# KiCad board haasoscope_pro_adc_fpga_board.kicad_pcb (continued)
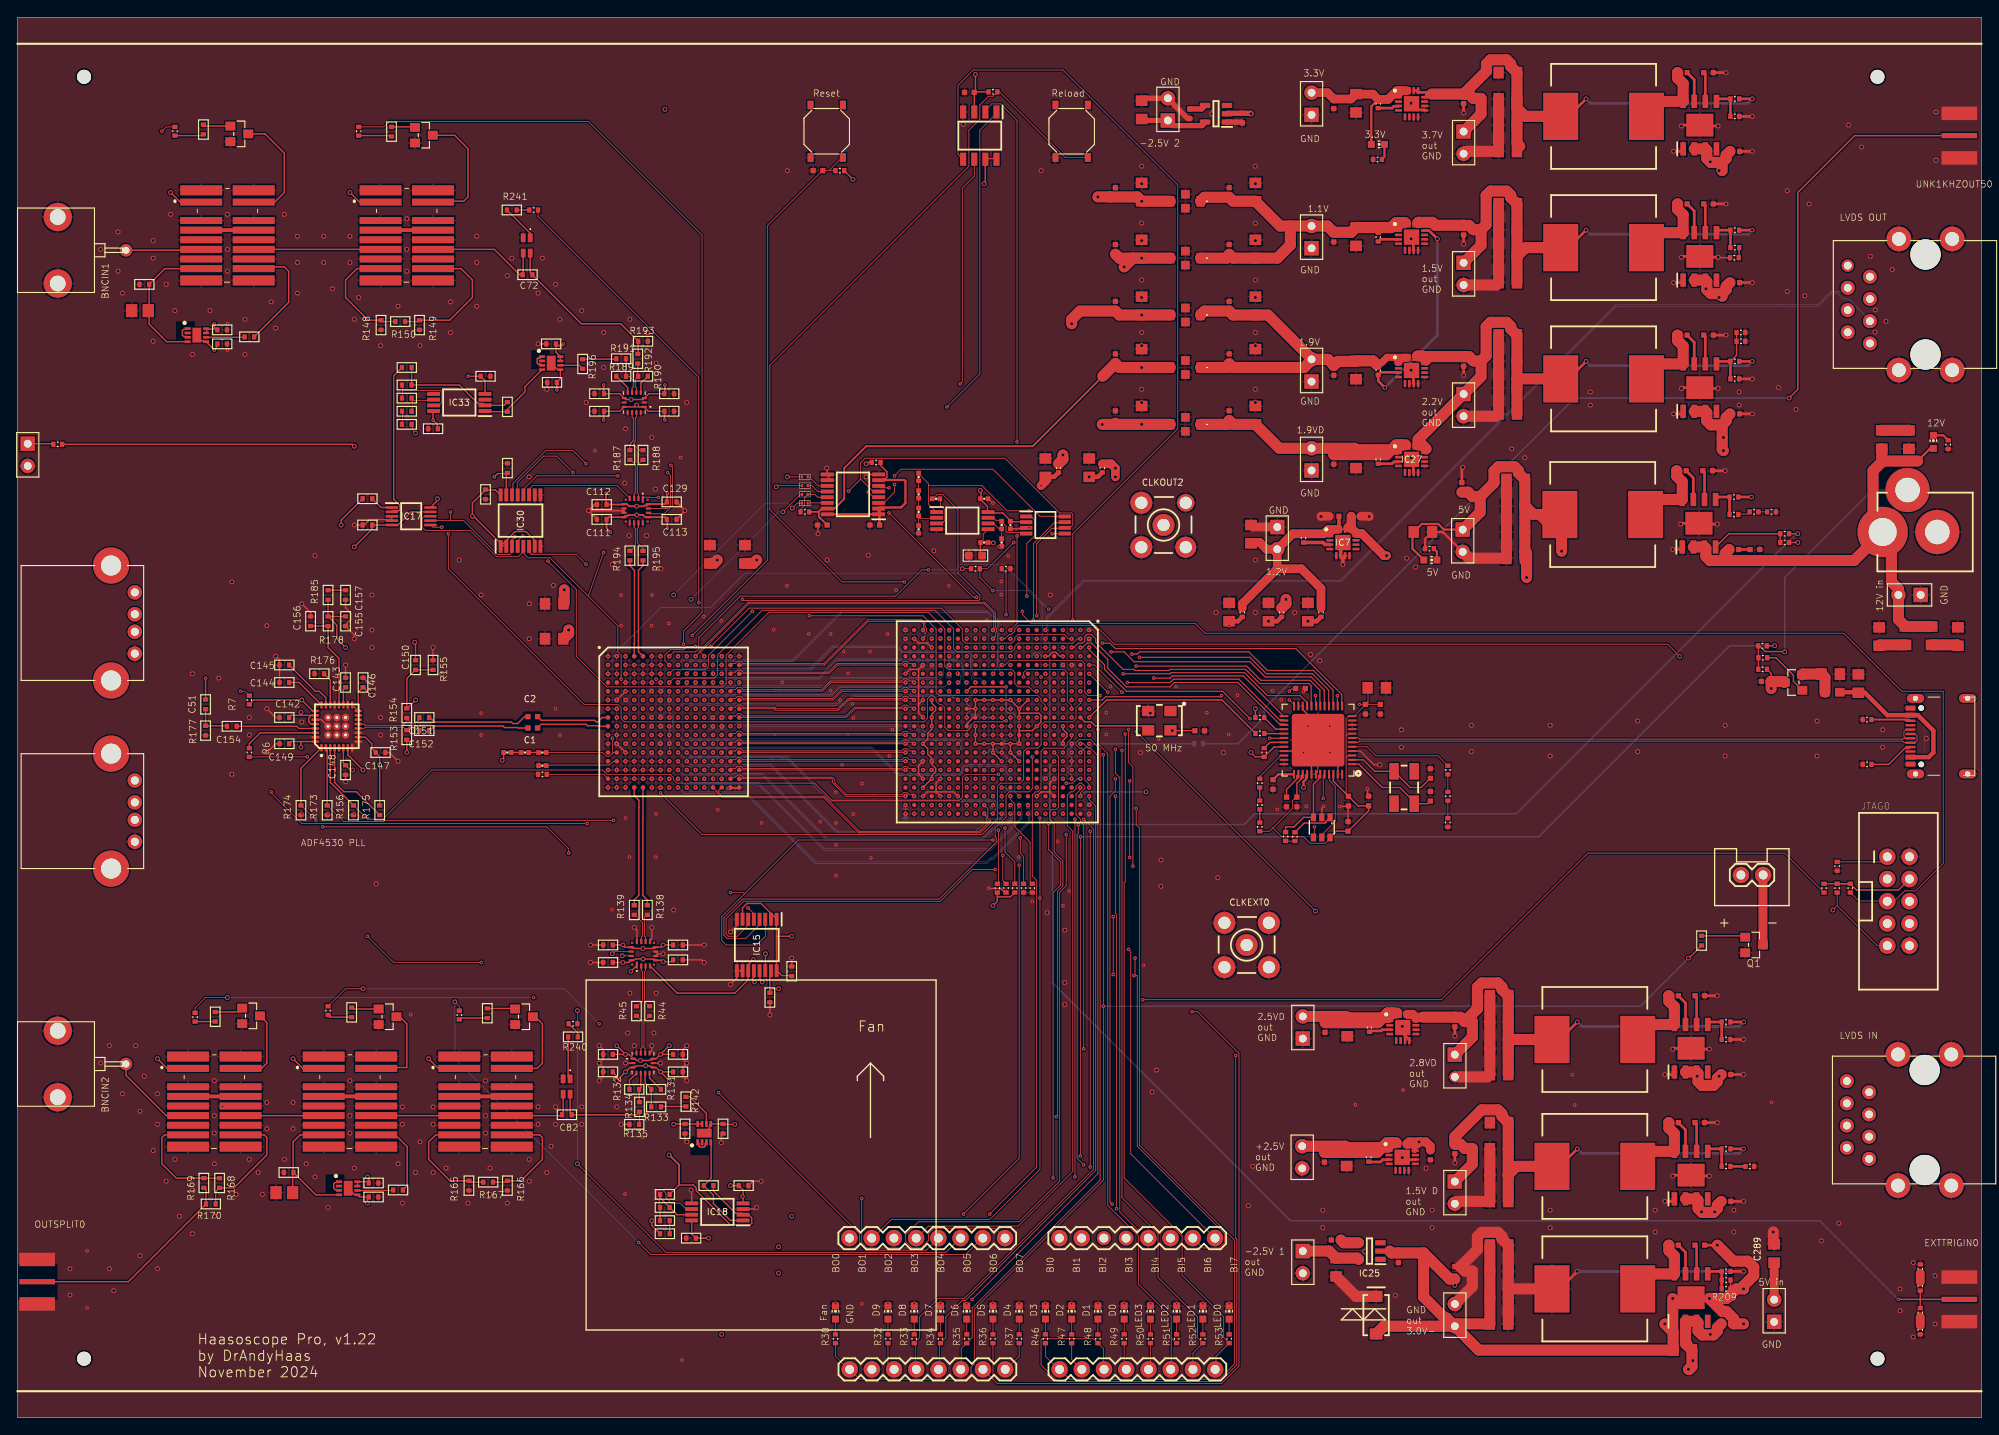
[diagram p0: board, top side]
## Routing (per net, layer and track width the routed paths; a pad name or vN(x,y) marks a point on that pad's centre or on a via; arc(x,y) is an arc through that point) (continued)
  In2.Cu w0.089: v1(112.55,88) 112.62,88 112.62,88.5 113,88.88 v1(113,91.75)
NCONFIG: length 110.3
  Top w0.089: SW3.2 119.75,144 112.25,151.5 R79.P$1 111.5,151 111,151 110,150 110,148.38 108.75,147.12 108.75,143 86,120.25 86,103.75 94.25,95.5 v1(101.38,95.5)
  In2.Cu w0.089: v1(113.5,86) 113.5,86.38 113,86.88 113,87.12 112.5,87.62 112.38,87.62 112.12,87.88 112.12,92.62 110.25,94.5 102.38,94.5 v1(101.38,95.5)
NCSO: length 75.1
  Top w0.089: v1(106.25,115.5) 110,119.25 110,147.12 112,149.12 IC6.1
  In2.Cu w0.089: v1(106.25,115.5) 100.62,109.88 100.62,105.62 106.88,99.38 111.5,99.38 118.5,92.38 v1(118.5,89)
NOFILT: length 6
  Top w0.44: K3.2 K3.7
NOFILT2: length 6
  Top w0.44: K5.2 K5.7
NOSPLIT: length 6
  Top w0.44: K1.2 K1.7
NSTATUS: length 134.7
  Top w0.089: R82.P$1 202,64.5 179.5,64.5 162.75,47.75 v1(128.62,47.75)
  In7.Cu w0.089: v1(128.62,47.75) 126,47.75 111.12,62.62 111.12,66.25 111.25,66.38 112.5,66.38 113.88,67.75 113.88,82.25 113.5,82.62 v1(113.5,85)
OFFSETOUT: length 4.3
  Top w0.152: FL1.6 78.75,34.75 76.85,36.65 R142.P$1
OFFSETOUT2: length 2.7
  Top w0.152: FL4.6 64.2,120.25 R196.P$1
ORA0: length 53.2
  Top w0.089: v1(79.25,88.12) 83.62,92.5 105.62,92.5 108,90.12 108,88.88 108.38,88.5 113.62,88.5 114,88.88 114,89.12 114.38,89.5 119.62,89.5 120.12,89 v1(120.5,89) ; v1(74.5,86) 74,86.5 74,87.12 74.62,87.75 76.12,87.75 76.5,88.12 v1(77.5,88.12)
  In2.Cu w0.089: v1(77.5,88.12) v1(79.25,88.12)
ORA1: length 54.1
  Top w0.089: v1(104.12,96.88) 103.38,96.88 100.38,93.88 82.62,93.88 77.88,89.12 77.88,87.88 77.5,87.5 75,87.5 v1(74.5,87)
  In7.Cu w0.089: v1(120.5,90) 120.25,90 v1(117.88,92.38)
  Bottom w0.089: v1(117.88,92.38) 117.31,92.94 117.31,92.95 112.8,97.45 107.82,97.45 107.24,96.88 v1(104.12,96.88)
ORB0: length 55.8
  Top w0.089: v1(121.5,89) 121.12,89 120.62,88.5 114.38,88.5 114,88.12 114,87.88 113.62,87.5 107.38,87.5 107,87.88 107,90.12 104.88,92.25 85.12,92.25 80,87.12 80,84.88 79.62,84.5 75,84.5 v1(74.5,84)
ORB1: length 95.2
  Top w0.089: v1(74.5,85) 75,85.5 78.62,85.5 79,85.88 79,87.12 v1(84,92.12)
  In7.Cu w0.089: v1(121.5,90) 121.12,90 120.5,89.38 120.25,89.38 117.88,87 117.88,86.75 117.75,86.62 116.25,86.62 115.88,87 115.88,88.25 115.5,88.62 114.25,88.62 113.88,89 113.88,99.38 111,102.25 111,117.5 109.5,119 106.25,119 84,96.75 v1(84,92.12)
OSC_CLK_IN: length 8.4
  Top w0.152: IC5.B11 122,79.5 122.74,79.5 123.2,79.04 128.75,79.04 Y2.3
OUTPATH: length 9.5
  Top w0.16: K2.6 K3.3
OUTPATH2: length 14.5
  Top w0.16: K4.6 K5.3
OUTPATHFILT: length 8.2
  Top w0.16: K7.3 62.37,34.72 C82.P$1 62.15,34.5 K3.6
OUTPATHFILT2: length 14.1
  Top w0.16: K6.3 57.81,130.91 57.5,130.6 ; 57.5,130.6 57.4,130.6 54.5,133.5 K5.6 ; 57.5,130.6 C72.P$1
OUTPATHMAIN: length 11.8
  Top w0.152: R134.P$1 71.1,33.55 R135.P$2
  Top w0.16: R134.P$1 70.75,34.6 C82.P$2 63.17,34.78 K7.4
OUTPATHMAIN2: length 19.3
  Top w0.152: R192.P$1 70.95,121.6 R193.P$2
  Top w0.16: R193.P$2 68.95,125 64.45,125 C72.P$2 58.61,130.84 K6.4
OUTSPLIT: length 24.9
  Top w0.152: R170.P$2 21.55,26 R169.P$2
  Top w0.16: OUTSPLIT0.P 12.67,15.52 R170.P$2
OUTSPLITTER: length 9.5
  Top w0.16: K1.6 K2.3
PD: length 7.2
  Top w0.089: IC1.R1 67,73.5 R14.P$1
PG1V1: length 2.4
  Top w0.305: IC24.3 155.79,134.65 R215.P$2
PG1V2: length 3.1
  Top w0.406: R161.P$2 149.23,100 149.46,99.77 149.98,99.77 IC7.3
PG1V9: length 25.6
  Top w0.305: IC24.12 161.35,135.65 v2(162.3,134.7) ; IC23.3 157.8,119.45 155.8,119.45 155.55,119.2 R214.P$2 155.54,118.46 v2(156.3,117.7)
  Bottom w0.305: v2(162.3,134.7) 162.3,123.7 v2(156.3,117.7)
PG1V9D: length 2.4
  Top w0.305: R219.P$2 157.12,109 157.32,109.2 157.8,109.2 IC27.3
PG2V5D: length 2.4
  Top w0.305: R220.P$2 154.65,44.18 155.88,44.18 156.02,44.32 IC28.3
PG3V3: length 2.4
  Top w0.305: R213.P$2 157.12,149.64 157.32,149.84 157.8,149.84 IC22.3
PG12V: length 9
  Top w0.16: R212.P$2 R236.P$1 195.62,101 PS14.4
PG25: length 2.4
  Top w0.305: R216.P$2 154.55,29.2 155.8,29.2 156.05,29.45 156.55,29.45 IC26.3
REF: length 11.8
  Top w0.089: IC8.5 154.25,76.66 155.28,75.62 162.38,75.62 R38.P$2
REF_CLK: length 9.1
  Top w0.152: U2.29 32.15,78.75 31.9,79 C154.P$1
RESET_IN: length 121.1
  Top w0.089: 92.75,142.5 C60.2 92,142.5 85.75,136.25 85.75,98 v1(77.12,89.38) ; 92.75,142.5 R78.P$1 ; 92.75,142.5 94.25,144 SW4.2
  In7.Cu w0.089: v1(119.5,81) 119.5,81.38 118.88,82 118.88,84 117.88,85 117.88,85.25 117.5,85.62 117.25,85.62 116.75,86.12 114,86.12 113.75,86.38 107.5,86.38 106.62,85.5 105.38,85.5 104.88,85 104.88,81.75 104.5,81.38 95.88,81.38 95.62,81.12 80.88,81.12 80.38,81.62 77.25,81.62 77.12,81.75 v1(77.12,89.38)
RFOUTA_N: length 8.3
  Top w0.102: U2.13 39.6,79.25 39.74,79.11 44,79.11 44.5,79.61 R154.P$1 44.5,79.87 45,79.36 45.5,79.36 45.82,79.68 45.82,79.87 C151.P$2
RFOUTA_P: length 7.9
  Top w0.102: U2.12 39.6,78.75 39.74,78.89 44.11,78.89 44.45,78.55 R153.P$1 44.5,78.63 45,79.14 45.5,79.14 45.95,78.69 C152.P$2
SCLK: length 42.1
  Top w0.089: v2(88.57,103.93) 89.13,104.5 R4.2
  In2.Cu w0.089: v1(74.5,72) 74,72.5 74,93 v2(75,94)
  Bottom w0.089: v2(88.57,103.93) 88,104.5 85.5,104.5 v2(75,94)
SCLK3: length 291.5
  Top w0.089: v1(63,64.5) 63,65 60.5,67.5 v1(34.87,67.5) ; 83.12,59.88 83,60 v1(81.5,60) ; 83.12,59.88 89.25,66 v1(111.5,66) ; 83.12,59.88 80.5,57.25 80.5,54.5 81,54 84.5,54 85.5,55 85.5,56.91 IC15.3 ; v1(49.5,103.5) 49.5,102.5 ; 49.5,102.5 IC17.7 ; 49.5,102.5 51,102.5 54.87,98.62 56.25,98.62 56.5,98.88 56.5,99.5 ; v1(56.85,100.65) 56.5,100.3 56.5,99.5 ; 56.5,99.5 IC30.3 ; R174.P$2 32.5,69.88 v1(34.12,68.25) ; IC2.3 98.5,104.62 99.12,104.62 100.25,105.75 v1(100.25,106.62) ; IC3.8 119.62,103 116.88,103 111.5,108.38 101,108.38 v1(100.25,107.62)
  Top w0.152: U2.1 32.4,74.2 R174.P$2
  In2.Cu w0.089: v1(100.25,106.62) 100.25,106.88 ; 100.25,106.88 v1(100.25,107.62) ; 100.25,106.88 73,106.88 72.5,107.38 72.5,107.5 71.5,108.5 63,108.5 56,101.5 v1(56.85,100.65) ; 34.19,68.19 28.31,68.19 16,80.5 16,95 24.5,103.5 v1(49.5,103.5) ; 34.19,68.19 v1(34.12,68.25) ; 34.19,68.19 v1(34.87,67.5)
  In7.Cu w0.089: v1(63,64.5) 67.5,60 v1(81.5,60) ; v1(111.5,66) 112.5,66 114.12,67.62 114.12,70.12 114.38,70.38 116.5,70.38 117.88,71.75 117.88,79 118.5,79.62 v1(118.5,81)
SCLKT: length 2.2
  Top w0.089: R4.1 90.35,104.53 IC2.14
SCS: length 39.8
  Top w0.089: R3.2 89.5,105.5 v2(87.5,103.5)
  In2.Cu w0.089: v2(77,93.5) 76,93.5 74.87,92.37 74.87,73.85 74.5,73.47 v1(74.5,73)
  Bottom w0.089: v2(87.5,103.5) 87,103.5 v2(77,93.5)
SCS3_ADC: length 34.6
  Top w0.089: v1(99.62,103.38) 109.25,93.75 v1(109.62,93.75) ; IC2.4 98.38,105.12 97.88,105.12 v1(97.25,105.75)
  In2.Cu w0.089: v1(117.5,83) 117.12,83 116.75,83.38 114.5,83.38 113,84.88 113,86.25 112.75,86.5 112.38,86.5 111.88,87 111.88,91.5 v1(109.62,93.75) ; v1(97.25,105.75) v1(99.62,103.38)
SCS3_CLK: length 98.2
  Top w0.089: v1(112.12,73.5) 108.38,73.5 108,73.12 108,70.88 107.62,70.5 93.12,70.5 91.12,72.5 75.38,72.5 74.99,72.89 74.99,73.12 74.62,73.5 67.38,73.5 66.88,74 47.37,74 41.75,68.38 40,68.38 38.5,69.88 R156.P$2
  Top w0.152: R156.P$2 35.75,72.6 U2.3
  In2.Cu w0.089: v1(112.12,73.5) 112.12,75.25 112.25,75.38 114.5,75.38 115.88,76.75 115.88,79 116.5,79.62 v1(116.5,80)
SCS3_IN1: length 63.8
  Top w0.089: v1(116,75.5) 116,71.88 115.62,71.5 113.38,71.5 113,71.12 113,68.62 111.75,67.38 111.75,66.38 111.88,66.25 111.88,65.75 105.38,59.25 82.88,59.25 80.75,57.12 80.75,55.12 81.12,54.75 83.25,54.75 84.75,56.25 84.75,56.88 IC15.4
  In7.Cu w0.089: v1(116.5,84) 116.5,83.62 116,83.12 v1(116,75.5)
SCS3_IN1DAC: length 89.3
  Top w0.089: v1(113,79.62) 112.75,79.62 112.62,79.5 109.38,79.5 109,79.12 109,78.88 108.62,78.5 106.38,78.5 106,78.88 106,81.12 105.62,81.5 105.38,81.5 105,81.88 105,82.12 104.62,82.5 104.38,82.5 104,82.12 104,79.88 103.62,79.5 69.38,79.5 69,79.88 69,81.12 68.62,81.5 64.75,81.5 49.25,97 v1(49.25,101) ; IC17.6 47.25,102 47.5,101.75 v1(48.5,101.75)
  In2.Cu w0.089: v1(113,79.62) 113,80.12 113.25,80.38 114.5,80.38 116.12,82 v1(116.5,82) ; v1(48.5,101.75) v1(49.25,101)
SCS3_IN2: length 84.2
  Top w0.089: v1(116.5,83) 116.12,83 115.62,83.5 114.38,83.5 114,83.88 114,85.12 113.62,85.5 106.38,85.5 106,85.88 106,90.12 104.12,92 85.88,92 81,87.12 81,83.88 80.62,83.5 67.38,83.5 63.87,87 63.87,94.62 v1(60.62,97.88) ; v1(57.75,100.75) 57.25,100.25 57.25,99.62 IC30.4
  In2.Cu w0.089: v1(57.75,100.75) v1(60.62,97.88)
SCS3_SLOWADC: length 29.8
  Top w0.089: v1(115.38,93.88) 115.38,99.88 116.25,100.75 116.25,102.62 116,102.88 115.38,102.88 IC3.1 ; v1(120.5,81) 120.5,81.38 120,81.88 120,85.12 119.62,85.5 115.38,85.5 115,85.12 v1(115,84.62)
  In2.Cu w0.089: v1(115.38,93.88) 115.38,92 115,91.62 v1(115,84.62)
SCST: length 4.7
  Top w0.089: R5.P$2 89.5,103.78 89.97,104.25 89.97,105.15 R3.1 91.15,105.5 91.47,105.18 IC2.13
SDI: length 41.9
  Top w0.089: R2.2 86.86,106.5 v2(86.73,106.37)
  In7.Cu w0.089: v2(86.73,106.37) 84.87,106.37 74.07,95.57 74.07,94.28 74,94.21 74,74.5 v1(74.5,74)
SDI3: length 210
  Top w0.089: v1(83.5,58.25) 84.12,57.62 84.12,57 IC15.5 ; IC2.5 98.38,105.88 97.75,105.88 96.38,107.25 ; v1(67,98.88) 65.25,93.88 ; 65.25,93.88 60.87,98.25 58.37,98.25 57.75,98.88 ; 65.25,93.88 68.62,90.5 68.62,87.5 69,87.12 v1(69,84.38) ; 57.75,98.88 57.75,99.5 IC30.5 57.75,98.88 ; 57.75,98.88 57.25,98.38 54.75,98.38 51.75,101.38 46.62,101.38 46.25,101.75 46.25,102.75 46.5,103 IC17.8 ; 96.38,107.25 96.38,109.12 96.88,109.62 112.88,109.62 119.12,103.38 120.5,103.38 120.62,103.25 120.62,102 120.38,101.75 119.75,101.75 IC3.6 119.62,101.62 118.25,101.62 116.5,99.88 v1(116.5,91.62) ; 96.38,107.25 v1(95,105.88) ; v1(68.12,68.25) 42,68.25 41.87,68.12 37.25,68.12 35.5,69.88 R173.P$2
  Top w0.152: R173.P$2 35.4,76.1 35.4,76.1 35.4,76.4 U2.2
  In2.Cu w0.089: v1(67,98.88) 76.72,98.88 76.75,99 83.62,105.88 v1(95,105.88) ; v1(68.12,68.25) 69,67.38 ; 69,67.38 78.12,58.25 v1(83.5,58.25) ; 69,67.38 v1(69,84.38) ; v1(116.5,91.62) 116,91.62 115.75,91.38 115.75,90.88 115.88,90.75 115.88,84 116.25,83.62 116.75,83.62 117.12,84 v1(117.5,84)
SDIT: length 2.5
  Top w0.089: R2.1 90.8,106.5 91.5,105.8 92.54,105.8 IC2.12
SDO: length 39.8
  Top w0.089: v2(88,107.5) R1.2
  In7.Cu w0.089: v2(88,107.5) 88,106.63 79.55,98.18 79.55,97.55 74.87,92.87 74.87,75.85 74.5,75.47 v1(74.5,75)
SDO3_ADC: length 55.7
  Top w0.089: IC2.6 98.5,106.38 98.62,106.25 v1(99.62,106.25) ; v1(90.5,91.62) 103.5,91.62 105,90.12 105,82.88 105.38,82.5 116.62,82.5 117,82.12 117,81.88 117.5,81.38 v1(117.5,81)
  In7.Cu w0.089: v1(99.62,106.25) 90.5,97.12 v1(90.5,91.62)
SDO3_IN1: length 61.6
  Top w0.089: v1(111.75,62.62) 109.12,62.62 105.5,59 83,59 81,57 81,55.25 81.25,55 82.25,55 83.5,56.25 IC15.6
  In7.Cu w0.089: v1(122.5,81) 122.5,80.62 120.88,79 120.88,72.75 118.5,70.38 118.25,70.38 117.88,70 117.88,68.75 v1(111.75,62.62)
SDO3_IN2: length 100.4
  Top w0.089: v1(121.5,82) 121.5,81.62 121,81.12 121,79.88 120.62,79.5 117.38,79.5 117,79.12 117,76.88 116.62,76.5 115.38,76.5 115,76.12 115,72.88 114.62,72.5 112.38,72.5 112,72.12 112,68.38 110.25,66.62 78.25,66.62 v1(73.5,71.38) ; v1(65,97.5) 63.85,98.65 58.83,98.65 58.79,98.69 58.69,98.69 58.5,98.88 58.5,99.5 IC30.6
  In2.Cu w0.089: v1(73,84.38) 73,71.88 v1(73.5,71.38)
  In7.Cu w0.089: v1(65,97.5) 67,95.5 67,94 72,89 72.5,89 73,88.5 v1(73,84.38)
SDO3_SLOWADC: length 23.8
  Top w0.089: v1(116.12,91.12) 116.12,99.88 118.5,102.25 119.62,102.25 IC3.7
  In2.Cu w0.089: v1(117,84.62) 117,85.88 116.12,86.75 v1(116.12,91.12)
  In7.Cu w0.089: v1(118.5,82) 117.88,82 117,82.88 v1(117,84.62)
SDOT: length 2.7
  Top w0.089: R1.1 90.5,107.5 91.53,106.48 IC2.11
SLOWADCIN1: length 3.9
  Top w0.089: IC4.3 105.12,102.25 105.75,102.25 106,102.5 106,103.75 105.5,104.25 105.5,105 R129.2
SLOWADCIN1-: length 3.2
  Top w0.089: 103,102.75 R124.2 ; 103,102.75 105,102.75 IC4.2 ; 103,102.75 R203.2
SLOWADCIN2: length 3.5
  Top w0.089: IC4.5 110.38,100.97 110.38,100.31 R130.2
  Top w0.152: R207.2 110.07,98.7 R130.2
SLOWADCIN2-: length 3
  Top w0.089: R125.2 R126.1 112.5,101.62 112.12,101.62 111.62,102.12 111,102.12 IC4.6
SLOWADCOUT1: length 23.2
  Top w0.089: IC3.5 119.62,101 v1(118.25,101) ; 104.12,106.5 110.25,106.5 113.12,103.62 v1(115.62,103.62) ; 104.12,106.5 104.12,104.38 105,103.5 IC4.1 ; 104.12,106.5 104.12,106.75 103,107.88 R122.1
  In2.Cu w0.089: v1(115.62,103.62) v1(118.25,101)
SLOWADCOUT2: length 5.6
  Top w0.089: IC3.4 115.25,101.12 113.12,101.12 113,101.25 113,101.88 112.5,102.38 R126.2 112.5,102.5 111.88,102.5 111.62,102.75 111,102.75 IC4.7
SPLIT: length 13.4
  Top w0.152: R169.P$1 R168.P$1
  Top w0.16: K1.4 16.8,32.3 16.5,32 16.5,29 18.15,27.35 R169.P$1
SPLIT_CONTROL: length 2.3
  Top w0.16: R11.P$1 R171.P$2
SPLITOUT: length 14.1
  Top w0.152: R168.P$2 22.65,25.8 R170.P$1
  Top w0.16: K1.5 28.2,32.3 28.5,32 28.5,30 24.75,26.25 R168.P$2
TCK: length 118.9
  Top w0.089: v2(190,87) 188.62,88.38 125.38,88.38 123.25,90.5 114.38,90.5 114,90.12 114,89.88 113.62,89.5 113.38,89.5 112.88,89 v1(112.55,89) IC5.L2 ; R93.P$2 213.15,63.5 JTAG0.1
  In7.Cu w0.089: v2(190,87) 212.92,64.08 JTAG0.1
TDI: length 118.9
  Top w0.089: JTAG0.9 212.58,53.92 208,58.5 ; v2(207.5,58) 208,58.5 ; 208,58.5 R92.P$1 ; v1(123.75,82.5) 122.38,82.5 122,82.88 122,86.12 121.62,86.5 113.38,86.5 112.88,86 v1(112.6,86) IC5.L5 ; v2(148.38,57.88) v1(127.88,78.38)
  In2.Cu w0.089: v2(148.38,57.88) 148.5,58 v2(207.5,58)
  In7.Cu w0.089: v1(127.88,78.38) v1(123.75,82.5)
TDIODE1: length 80.8
  Top w0.089: 68,75.88 68,75.88 v1(68,77.62) ; 68,75.88 68.12,76 IC1.M2 ; 68,75.88 67.68,75.56 67.32,75.56 66.88,76 R198.2 ; v1(82.88,93.5) 83,93.38 109.88,93.38 110,93.5 110,94 107.5,96.5 107.5,103.75 105.75,105.5 105.12,105.5 104.62,105 R129.1
  In2.Cu w0.089: v1(82.88,93.5) 77.75,93.5 76.75,94.5 74.75,94.5 68,87.75 v1(68,77.62)
TDIODE2: length 8.3
  Top w0.089: R128.1 60.5,74.56 67.68,74.56 68.12,75 IC1.N2
TDO: length 113.2
  Top w0.089: IC5.L4 v1(112.55,86.95)
  In7.Cu w0.089: JTAG0.3 187.14,88.12 125,88.12 124.38,87.5 119.38,87.5 118.25,86.38 116.12,86.38 115.88,86.62 113.12,86.62 112.88,86.88 112.62,86.88 v1(112.55,86.95)
TMS: length 146.2
  Top w0.089: IC5.L1 v1(112.6,90) ; R91.P$1 210.47,59.03 213.7,59.03 JTAG0.5 213.86,59.14 214.66,59.14 215.71,60.19 216.99,60.19 220.13,63.33 220.13,83 215.38,83 208.75,89.62 135.75,89.62 134.62,90.75 115.88,90.75 114.88,91.75 v1(114.88,92.12)
  In2.Cu w0.089: v1(112.6,90) 112.62,90 112.62,92 112.75,92.12 v1(114.88,92.12)
USB_D_N: length 66.1
  Top w0.102: IC8.7 153.27,77.66 153.4,77.53 215.5,77.53 215.59,77.62 X1.A6 215.87,77.62 215.63,77.86 215.63,78.38 215.87,78.62 X1.B6
USB_D_P: length 66.2
  Top w0.102: X1.A7 216.89,78.12 217.13,77.88 217.13,77.36 216.89,77.12 X1.B7 215.68,77.12 215.5,77.3 153.4,77.3 153.27,77.16 IC8.6
VA11: length 104.6
  Top w0.152: v2(128.5,139) 128.25,139.25 125.5,139.25 C39.2
  Top w1.27: C21.2 63,89.6 v2(63,90) ; C35.3 v2(128.5,139) 128.01,139.49 124.88,139.49 124.87,139.5 v2(123.5,139.5)
  In4.Cu w0.152: v1(69.5,77) 69.5,77.43 69.1,77.83 69.1,81.17 69.5,81.57 v1(69.5,82)
  In4.Cu w1.27: v2(123.5,139.5) 121.5,137.5 102,137.5 66,101.5 66,93 v2(63,90)
  Bottom w0.152: v1(72.5,83) C22.2 ; v1(69.5,77) C33.2 ; v1(72.5,76) C32.2 ; v1(69.5,82) C23.2
  vias: v1(70.5,83) v1(70.5,82) v1(70.5,77) v1(70.5,76) v1(71.5,83) v1(71.5,82) v1(71.5,77) v1(71.5,76) v1(72.5,82) v1(72.5,77)
VA19: length 90.3
  Top w0.152: 62.5,93 C13.2
  Top w1.27: v2(120.5,125) 120.5,125.5 121.45,126.45 C29.2 125.95,126 v2(128.5,126) C25.3 ; v2(62.5,94.59) 62.5,93
  In5.Cu w1.27: v2(120.5,125) 115,119.5 78,119.5 62.5,104 v2(62.5,94.59)
  Bottom w0.152: v1(72.5,80) C14.2 ; v1(72.5,79) C20.2
  vias: v1(69.5,81) v1(69.5,80) v1(69.5,79) v1(69.5,78) v1(70.5,81) v1(70.5,80) v1(70.5,79) v1(70.5,78) v1(71.5,81) v1(71.5,80) v1(71.5,79) v1(71.5,78) v1(72.5,81) v1(72.5,78)
VD11: length 76.8
  Top w1.27: 127.5,132.5 125.95,132.5 C49.2 ; 127.5,132.5 v2(128.5,132.5) C45.3 ; 127.5,132.5 v2(126.5,131.5) ; C24.2 79.6,97.6 v2(80,98)
  In4.Cu w1.27: v2(126.5,131.5) 113.5,131.5 v2(80,98)
  Bottom w0.152: v1(74.5,76) 74.55,76.05 C30.2 v1(74.5,77) v1(74.5,78) 74.5,78.43 74.9,78.83 74.9,80.17 74.5,80.57 v1(74.5,81) 74.5,81.9 C31.2 v1(74.5,82) v1(74.5,83)
VLVDS: length 58.8
  Top w0.152: v2(128.5,113.5) 125.5,113.5 C9.2
  Top w1.27: v2(124,113.5) v2(128.5,113.5) C5.3 ; C10.2 84.1,97.6 v2(84.5,98)
  In5.Cu w1.27: v2(84.5,98) 100,113.5 v2(124,113.5)
  Bottom w0.152: v1(79.5,80) C11.2 ; v1(79.5,79) 79.45,78.95 C12.2
  vias: v1(77.5,81) v1(77.5,80) v1(77.5,79) v1(77.5,78) v1(78.5,81) v1(78.5,80) v1(78.5,79) v1(78.5,78)
VLVDS_IN: length 36.3
  Top w0.152: 138.5,113.75 C7.2
  Top w0.305: 155.55,110.6 155.55,110.2 R219.P$1 ; 158.66,111.16 159.05,110.95 IC27.15 ; 158.15,111.16 158.55,111.2 IC27.16 IC27.1
  Top w1.27: 158.66,111.16 158.15,111.16 ; 158.15,111.16 157.69,110.7 157.69,110.69 157.12,110.69 156.47,110.04 150.47,110.04 C256.1 ; 158.15,111.16 157.6,111.16 157.04,110.6 C255.1 152.83,110.77 J36.2 144.23,110.77 C6.2 138.95,113.5 C7.2 ; C5.1 138.25,113.5 138.5,113.75
VOUT: length 16.1
  Top w0.152: R153.P$2 v2(44.5,76) ; v2(45.5,82) 44.55,81.05 R154.P$2 44.5,84.45 R155.P$2 C150.P$1
  In2.Cu w0.152: v2(44.5,76) 44.5,81 v2(45.5,82)
VREF2: length 4.8
  Top w0.152: U2.24 32.2,84 C144.P$1
VTUNE: length 11.5
  Top w0.152: U2.20 36.75,86.75 35.5,88 R178.P$1 C156.P$1

## Copper pours and planes (outline as drawn; the poured copper is in the pictures)
2V5+ on In7.Cu: 83.08,151.53 83.08,102.97 79.58,99.47 79.58,95.42 54.08,95.42 54.08,64.03 56.53,61.58 85.53,61.58 91.58,55.53 91.58,2.42 7.42,2.42 7.42,156.08 78.53,156.08
2V5-1 on Bottom: 86.58,-4.08 -3.58,-4.08 -3.58,58.08 86.58,58.08
2V5-2 on Bottom: 79.38,98.42 -2.58,98.42 -2.58,161.58 79.38,161.58
3V3 on In4.Cu: 236.08,-9.08 -7.53,-9.08 -8.08,-8.53 -8.08,169.03 -7.53,169.58 236.08,169.58
5V on In5.Cu: 239.08,167.03 239.08,-11.03 238.03,-12.08 -9.03,-12.08 -9.58,-11.53 -9.58,167.58 238.53,167.58
5V on In5.Cu: 158.58,85.03 158.58,61.97 157.03,60.42 141.97,60.42 141.42,60.97 141.42,82.03 144.97,85.58 158.03,85.58
GND on Top: 228.58,-1.08 -9.58,-1.08 -9.58,166.08 228.58,166.08
GND on Bottom: 9.58,9.92 -0.58,9.92 -0.58,21.58 9.58,21.58
GND on Bottom: 232.08,-5.58 -5.08,-5.58 -5.08,162.58 232.08,162.58
GND on In1.Cu: 228.08,-1.58 -9.08,-1.58 -9.08,166.58 228.08,166.58
GND on In2.Cu: 228.58,-2.08 -8.58,-2.08 -8.58,166.08 228.58,166.08
GND on In3.Cu: 229.08,-2.58 -8.08,-2.58 -8.08,165.58 229.08,165.58
GND on In6.Cu: 230.58,-4.08 -6.58,-4.08 -6.58,164.08 230.58,164.08
GND on In7.Cu: 231.08,-4.58 -6.08,-4.58 -6.08,163.58 231.08,163.58
GND on In8.Cu: 231.58,-5.08 -5.58,-5.08 -5.58,163.08 231.58,163.08
VCCINT on In4.Cu: 150.04,80.96 117.54,80.96 117.54,74.46 107.96,74.46 107.96,84.02 108.48,84.54 145.46,84.54 145.46,92.04 150.04,92.04
VCCIO2V5 on In5.Cu: 151.08,64.92 97.92,64.92 97.92,94.08 151.08,94.08
VCCIO3V3 on In5.Cu: 125.58,77.92 118.92,77.92 118.92,108.08 125.58,108.08
VA11 on In4.Cu: 73.08,66.42 61.42,66.42 61.42,91.58 73.08,91.58
VA19 on In5.Cu: 73.08,65.42 61.42,65.42 61.42,96.08 73.08,96.08
VD11 on In4.Cu: 81.08,69.92 72.42,69.92 72.42,99.08 81.08,99.08
VLVDS on In5.Cu: 92.08,69.42 72.92,69.42 72.92,98.58 92.08,98.58

## Text on the board
F.Silkscreen: ADF4530 PLL | Reset | Reload | -2.5V 2 | 50 MHz | GND | -2.5V 1 / out / GND | +2.5V / out / GND | 2.5VD / out / GND | 1.2V | 1.9VD | 1.9V | 3.3V | 1.1V | 1.5V D / out / GND | GND / out / 3.0V- | 2.8VD / out / GND | 3.7V / out / GND | 1.5V / out / GND | 2.2V / out / GND | 5V | 5V in | LVDS OUT | LVDS IN | 12V | Fan | BO0 | BO1 | D9 | BO2 | D8 | BO3 | D7 | BO4 | D6 | BO5 | D5 | BO6 | D4 | BO7 | D3 | BI0 | D2 | BI1 | D1 | BI2 | D0 | BI3 | LED3 | BI4 | LED2 | BI5 | LED1 | BI6 | LED0 | BI7 | 12V in | Haasoscope Pro, v1.22 / by DrAndyHaas / November 2024 | + | -
